# Altium PCB Tiny817_Xplained_Pro.PcbDoc (part 1 of 3) (continued)
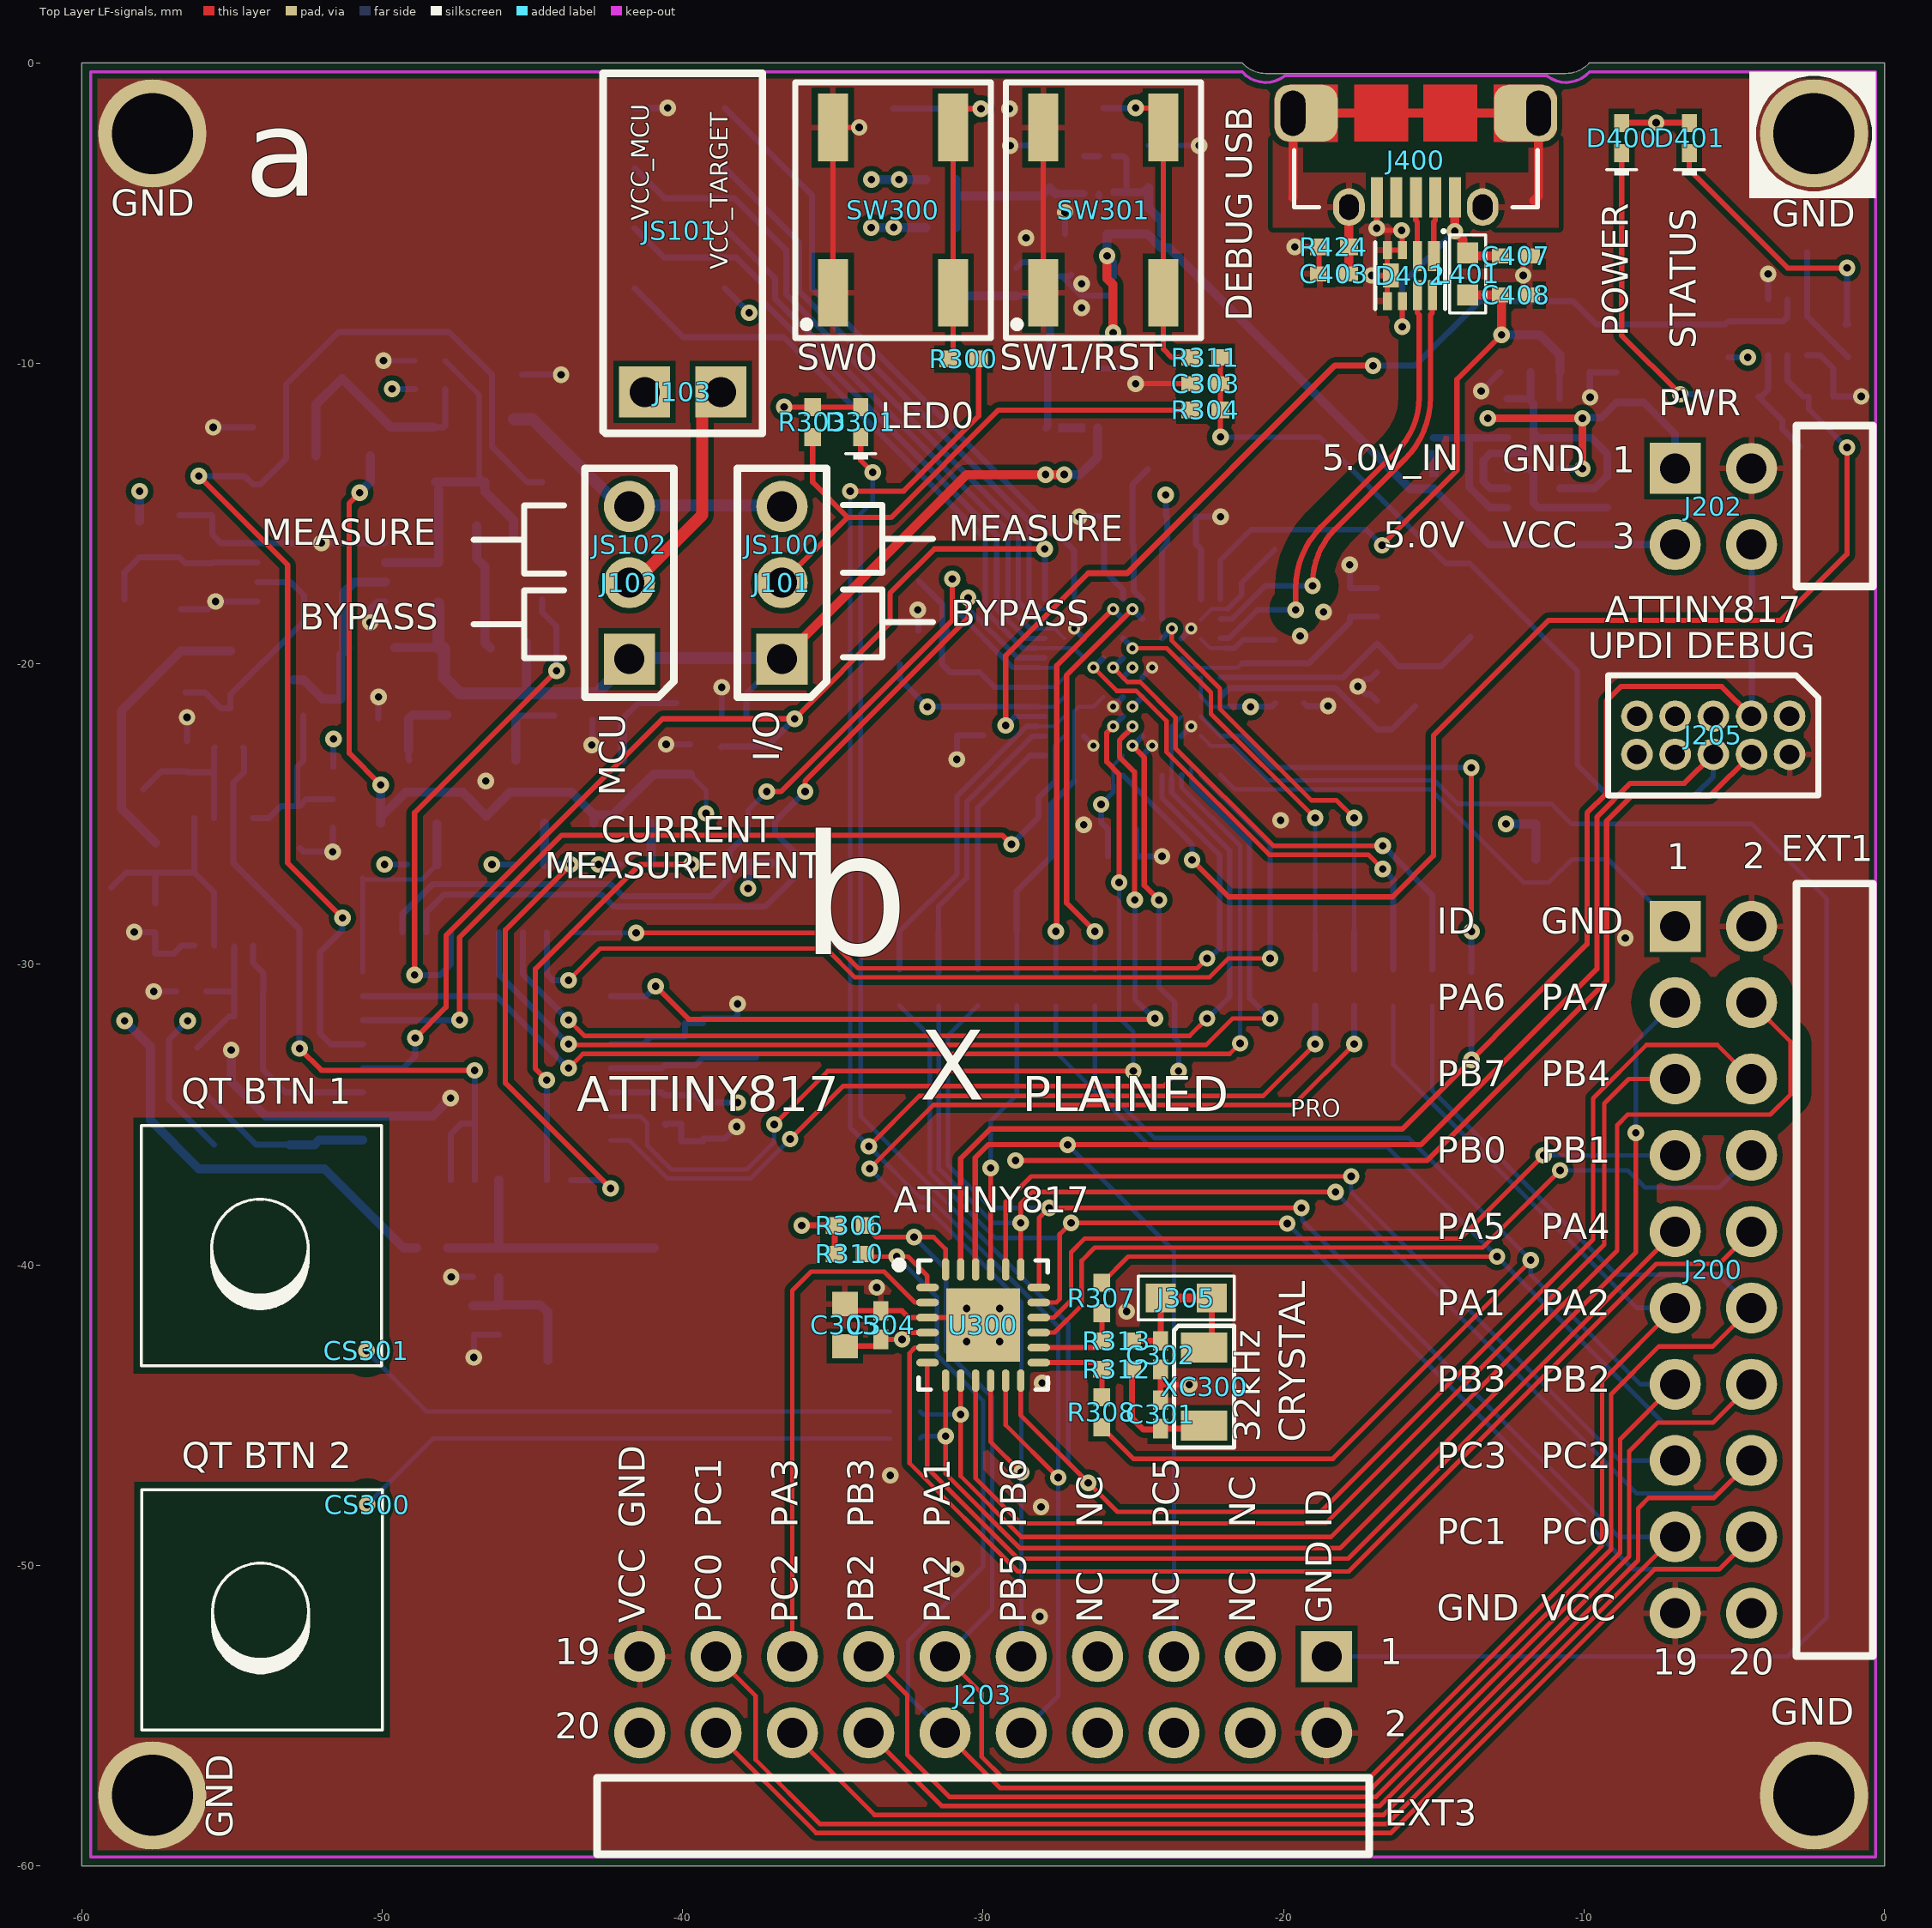
[diagram p0: Top Layer LF-signals view]
## Components (designator, comment, footprint, x,y, rotation, side; value= is the part's Value field where it differs from the comment) (continued)
R310 "" AP2-00011 -34.442,-39.636 r180 top
R311 "" AP2-00011 -22.6,-9.8 r0 top locked
R312 "" AP2-00011 -25.55,-43.472 r0 top
R313 "" AP2-00011 -25.55,-42.525 r0 top
R401 "" AP2-00000 -11.025,-25.325 r180 bottom
R404 "" AP2-00000 -13.75,-30.75 r90 bottom
R406 "" AP2-00000 -27.58,-30.775 r270 bottom
R407 "" AP2-00000 -16.35,-30.775 r270 bottom
R408 "" AP2-00000 -15.05,-30.775 r270 bottom
R409 "" AP2-00000 -11,-26.5 r180 bottom
R410 "" AP2-00011 -5.2,-9.2 r270 bottom locked
R411 "" AP2-00011 -4.7,-11.1 r180 bottom locked
R412 "" AP2-00011 -1.2,-9.2 r90 bottom locked
R413 "" AP2-00011 -2.2,-11.1 r180 bottom locked
R414 "" AP2-00000 -26.28,-30.775 r90 bottom
R415 "" AP2-00000 -31.48,-30.775 r90 bottom
R416 "" AP2-00000 -18.95,-30.775 r90 bottom
R417 "" AP2-00000 -17.65,-30.775 r90 bottom
R420 "" AP2-00000 -30.18,-30.775 r270 bottom
R421 "" AP2-00011 -20.3,-16.7 r90 bottom locked
R422 "" AP2-00011 -20.3,-18.7 r270 bottom locked
R423 "" AP2-00011 -17.8,-17.95 r270 bottom locked
R424 "" AP2-00011 -18.325,-6.125 r0 top
R425 "" AP2-00000 -32.78,-30.775 r90 bottom
R426 "" AP2-00000 -28.88,-30.775 r90 bottom
R500 "" AP2-00011 -45.85,-10.375 r180 bottom
R501 "" AP2-00011 -48.4,-10.85 r180 bottom
R502 "" AP2-00011 -48.412,-9.908 r0 bottom
R602 "" AP2-00011 -36.925,-26.128 r270 bottom
R603 "" AP2-00011 -37.825,-26.128 r270 bottom
R604 "" AP2-00011 -48.35,-39.425 r180 bottom
R605 "" AP2-00011 -46.125,-39.925 r90 bottom
R606 "" AP2-00011 -46.125,-41.825 r90 bottom
R700 "" AP2-00076 -47.25,-19.475 r0 bottom
R701 "" AP2-00011 -44.7,-19.3 r0 bottom
R702 "" AP2-00076 -48.125,-17.325 r90 bottom
R703 "" AP2-00011 -54.45,-30.9 r0 bottom
R704 "" AP2-00076 -50.45,-19.475 r0 bottom
R705 "" AP2-00011 -56.35,-30.9 r0 bottom
R706 "" AP2-00011 -57.55,-26.45 r90 bottom
R707 "" AP2-00076 -56.7,-18.875 r270 bottom
R708 "" AP2-00011 -55.1,-23.6 r0 bottom
R709 "" AP2-00011 -56.5,-23.075 r270 bottom
R800 "" AP2-00011 -48.675,-26.675 r180 bottom
R801 "" AP2-00011 -45.1,-26.675 r180 bottom
R802 "" AP2-00011 -41.55,-26.675 r180 bottom
R803 "" AP2-00011 -42.5,-21.825 r0 bottom
R804 "" AP2-00011 -46.05,-21.825 r0 bottom
R805 "" AP2-00011 -49.625,-21.825 r0 bottom
R806 "" AP2-00011 -39.75,-23.175 r270 bottom
SW300 "" AP8-00137 -33,-4.9 r90 top locked
SW301 "" AP8-00137 -26,-4.9 r90 top locked
TP300 "" AP8-00010 -33,-1.5 r270 bottom locked
TP301 "" AP8-00010 -26,-1.5 r270 bottom locked
TP400 "" AP8-00010 -41.6,-1.5 r270 bottom locked
TP401 "" AP8-00010 -38.6,-1.5 r270 bottom locked
TP402 "" AP8-00010 -41.6,-3.5 r270 bottom locked
TP403 "" AP8-00010 -41.6,-5.5 r270 bottom locked
TP404 "" AP8-00010 -38.6,-5.5 r270 bottom locked
TP405 "" AP8-00010 -41.6,-7.5 r270 bottom locked
TP406 "" AP8-00010 -38.6,-3.5 r270 bottom locked
TP407 "" AP8-00010 -38.6,-7.5 r270 bottom locked
U100 "" AP6-00262 -26.15,-3.725 r90 bottom
U103 "" AP6-00162 -26.725,-7.75 r0 bottom locked
U300 "ATtiny807" AP6-00459 -30,-42 r0 top locked
U400 "100 ball VFBGA" AP6-00206 -25.025,-20.775 r90 bottom locked
U600 "" AP6-00061 -46.524,-33.051 r90 bottom
U601 "" AP5-00002 -43.685,-40.375 r0 bottom
U700 "" AP6-00100 -55.275,-27.25 r90 bottom
U701 "" AP6-00100 -52.025,-16.95 r180 bottom
XC300 "" AP7-00090 -22.645,-44.05 r270 top
XC400 "" AP7-00089 -14.7,-20.25 r90 bottom

## Footprints (in the part's own frame and the unit in brackets; to place one, negate y for a bottom-side part, rotate by r counter-clockwise, add the part's x,y. Pads: shape width x height; smd on the part's side, far side on the other; paste and mask are expansions set on the pad)
AP1-00001 [mm] "Standard 0402 SMD capacitor footprint"
  rect 0.9x0.6 smd: 1(-0.55,0) 2(0.55,0)
  silkscreen extent -1.25,-0.55 1.25,0.55, body extent -0.5,-0.3 0.5,0.3, height 0.2
AP1-00003 [mm]
  rect 1.35x1.5 smd: 1(-0.825,0) 2(0.825,0)
  silkscreen extent -1.78,-1 1.78,1, body extent -1,-0.63 1,0.63, height 0.78
AP1-00053 [mm] "Chip Capacitor, 2-Leads, Body 1.0x0.5mm, IPC High Density"
  rect 0.65x0.5 smd: 1(-0.475,0) 2(0.475,0)
  body extent -0.5,-0.3 0.5,0.3, height 0.2
AP1-00117 [mm] "Chip Capacitor, 2-Leads, Body 1,60x0,80mm, IPC High Density"
  rect 0.8x0.85 smd: 1(-0.7,0) 2(0.7,0)
  body extent -0.8,-0.4 0.8,0.4, height 0.3
AP2-00000 [mm] "Standard 0402 SMD resistor footprint"
  rect 0.8x0.65 smd: 1(-0.6,0) 2(0.6,0)
  silkscreen extent -1.25,-0.58 1.25,0.58, body extent -0.5,-0.3 0.5,0.3, height 0.2
AP2-00011 [mm] "Chip Resistor, 2-Leads, Body 1,0x0,5mm, IPC High Density"
  rect 0.6x0.55 smd: 1(-0.5,0) 2(0.5,0)
  body extent -0.5,-0.3 0.5,0.3, height 0.2
AP2-00076 [mm] "Chip Resistor, 2-Leads, Body 1,60x0,80mm, IPC High Density"
  rect 0.8x0.85 smd: 1(-0.7,0) 2(0.7,0)
  body extent -0.8,-0.4 0.8,0.4, height 0.3
AP3-00005 [mm]
  rect 0.7x0.7 smd: 1(-0.7,0) 2(0.7,0)
  silkscreen extent -1.3,-0.6 1.3,0.6, body extent -0.83,-0.41 0.82,0.41, height 0.8
AP3-00028 [mm] "0402 SMD EMI inductor footprint, Murata"
  rect 0.8x0.65 smd: 1(-0.6,0) 2(0.6,0)
  silkscreen extent -1.25,-0.58 1.25,0.58, body extent -0.58,-0.3 0.58,0.3, height 0.41
AP4-00159 [mm] "WDFN8, 2.2x2, 0.5P  CASE 511BN  ISSUE A"
  rect 0.4x1 smd: 1(-0.8,-0.65)
  rect 0.3x1 smd: 2(-0.25,-0.65) 7(-0.25,0.65) 8(-0.75,0.65)
  rect 0.3x0.6 smd: 3(0.25,-0.85) 4(0.75,-0.85) 5(0.75,0.85) 6(0.25,0.85)
  rect 0.54x0.8 smd mask+0.1: 9(0.63,0)
  silkscreen extent -1.18,-1.52 1.15,1.1, body extent -1.1,-1 1.1,1, height 0.8
AP4-00160 [mm] "ROHM SML-P11 0402 LED"
  rect 0.6x0.5 smd: 1(-0.5,0) 2(0.5,0)
  silkscreen extent -1.25,-0.5 -1.05,0.5, body extent -0.5,-0.3 0.5,0.3, height 0.19
AP5-00001 [mm]
  rect 0.85x0.35 smd: 1(-0.925,0.65) 2(-0.925,0) 3(-0.925,-0.65) 4(0.925,-0.65) 5(0.925,0) 6(0.925,0.65)
  silkscreen extent -1.6,-1.35 1.6,1.35, body extent -1.05,-1 1.05,1, height 0.95
AP5-00002 [mm] "SOT-23 Package"
  rect 1.3x0.6 smd: 1(-1.05,0.95) 2(-1.05,-0.95) 3(1.05,0)
  silkscreen extent -1.95,-1.78 1.95,1.78, body extent -1.25,-1.46 1.23,1.46, height 1
AP5-00047 [mm] "NXP SOT1118 (DFN2020-6) Footprint"
  rect 0.35x0.3 smd mask+0.05: 1(-0.65,-0.875) 2(0,-0.875) 3(0.65,-0.875) 4(0.65,0.875) 5(0,0.875) 6(-0.65,0.875)
  rect 0.72x1.05 smd mask+0.05: 7(-0.49,0) 8(0.49,0)
  silkscreen extent -1,-1.55 1,1.17, body extent -0.99,-1.01 1.01,1.01, height 0.65
AP6-00061 [mm] "TQFP, 32-Leads, Body 9.3x9.3mm (max), Pitch 0.80mm, IPC Medium Density"
  oval 1.75x0.55 smd: 1(-4.125,2.8) 2(-4.125,2) 3(-4.125,1.2) 4(-4.125,0.4) 5(-4.125,-0.4) 6(-4.125,-1.2) 7(-4.125,-2) 8(-4.125,-2.8) 17(4.125,-2.8) 18(4.125,-2) 19(4.125,-1.2) 20(4.125,-0.4) 21(4.125,0.4) 22(4.125,1.2) 23(4.125,2) 24(4.125,2.8)
  oval 0.55x1.75 smd: 9(-2.8,-4.125) 10(-2,-4.125) 11(-1.2,-4.125) 12(-0.4,-4.125) 13(0.4,-4.125) 14(1.2,-4.125) 15(2,-4.125) 16(2.8,-4.125) 25(2.8,4.125) 26(2,4.125) 27(1.2,4.125) 28(0.4,4.125) 29(-0.4,4.125) 30(-1.2,4.125) 31(-2,4.125) 32(-2.8,4.125)
  silkscreen extent -4.25,3.5 -4,3.75, body extent -4.5,-4.5 4.5,4.5, height 1.44
AP6-00100 [mm]
  rect 1.6x0.45 smd: 1(-2.125,0.975) 2(-2.125,0.325) 3(-2.125,-0.325) 4(-2.125,-0.975) 5(2.125,-0.975) 6(2.125,-0.325) 7(2.125,0.325) 8(2.125,0.975)
  silkscreen extent -3.17,-1.8 3.17,1.88, body extent -2.45,-1.5 2.45,1.5, height 0.85
AP6-00162 [mm] "QFN, 6-Leads, Body 2.00x2.00mm, Pitch 0.65mm, Thermal Pad 1.00x1.6mm, IPC Medium Density modified"
  rect 0.6x0.3 smd paste-0.025 mask+0.05: 1(-1.05,0.65) 2(-1.05,0) 3(-1.05,-0.65) 4(1.05,-0.65) 5(1.05,0) 6(1.05,0.65)
  rect 1x1.6 smd paste-0.05 mask+0.05: 7(0,0)
  silkscreen extent -1.92,-1.2 1.2,1.2, body extent -1.05,-1.05 1.05,1.05, height 0.8
AP6-00206 [mm] "100 ball (10x10 array) VFBGA. Pitch 0.65 mm. Width: 7 mm. Length: 7mm. Height: 1 mm"
  round 0.28 smd: A1(-2.925,2.925) A2(-2.275,2.925) A3(-1.625,2.925) A4(-0.975,2.925) A5(-0.325,2.925) A6(0.325,2.925) A7(0.975,2.925) A8(1.625,2.925) A9(2.275,2.925) A10(2.925,2.925) B1(-2.925,2.275) B2(-2.275,2.275) B3(-1.625,2.275) B4(-0.975,2.275) B5(-0.325,2.275) B6(0.325,2.275) B7(0.975,2.275) B8(1.625,2.275) B9(2.275,2.275) B10(2.925,2.275) C1(-2.925,1.625) C2(-2.275,1.625) C3(-1.625,1.625) C4(-0.975,1.625) C5(-0.325,1.625) C6(0.325,1.625) C7(0.975,1.625) C8(1.625,1.625) C9(2.275,1.625) C10(2.925,1.625) D1(-2.925,0.975) D2(-2.275,0.975) D3(-1.625,0.975) D4(-0.975,0.975) D5(-0.325,0.975) D6(0.325,0.975) D7(0.975,0.975) D8(1.625,0.975) D9(2.275,0.975) D10(2.925,0.975) E1(-2.925,0.325) E2(-2.275,0.325) E3(-1.625,0.325) E4(-0.975,0.325) E5(-0.325,0.325) E6(0.325,0.325) E7(0.975,0.325) E8(1.625,0.325) E9(2.275,0.325) E10(2.925,0.325) F1(-2.925,-0.325) F2(-2.275,-0.325) F3(-1.625,-0.325) F4(-0.975,-0.325) F5(-0.325,-0.325) F6(0.325,-0.325) F7(0.975,-0.325) F8(1.625,-0.325) F9(2.275,-0.325) F10(2.925,-0.325) G1(-2.925,-0.975) G2(-2.275,-0.975) G3(-1.625,-0.975) G4(-0.975,-0.975) G5(-0.325,-0.975) G6(0.325,-0.975) G7(0.975,-0.975) G8(1.625,-0.975) G9(2.275,-0.975) G10(2.925,-0.975) H1(-2.925,-1.625) H2(-2.275,-1.625) H3(-1.625,-1.625) H4(-0.975,-1.625) H5(-0.325,-1.625) H6(0.325,-1.625) H7(0.975,-1.625) H8(1.625,-1.625) H9(2.275,-1.625) H10(2.925,-1.625) J1(-2.925,-2.275) J2(-2.275,-2.275) J3(-1.625,-2.275) J4(-0.975,-2.275) J5(-0.325,-2.275) J6(0.325,-2.275) J7(0.975,-2.275) J8(1.625,-2.275) J9(2.275,-2.275) J10(2.925,-2.275) K1(-2.925,-2.925) K2(-2.275,-2.925) K3(-1.625,-2.925) K4(-0.975,-2.925) K5(-0.325,-2.925) K6(0.325,-2.925) K7(0.975,-2.925) K8(1.625,-2.925) K9(2.275,-2.925) K10(2.925,-2.925)
  silkscreen extent -4.15,-4.15 4.15,4.15, body extent -3.5,-3.5 3.5,3.5, height 1.01
AP6-00262 [mm] "SON-6 footprint"
  rect 0.95x0.3 smd paste-0.025 mask+0.05: 1(-0.575,0.5)
  rect 0.85x0.3 smd paste-0.025 mask+0.05: 2(-0.625,0) 3(-0.625,-0.5) 4(0.625,-0.5) 5(0.625,0) 6(0.625,0.5)
  silkscreen extent -1.25,-0.9 0.9,0.95, body extent -0.8,-0.8 0.8,0.8, height 0.8
AP6-00459 [mm] "QFN, 24-Leads, Body 4,00x4,00mm, Pitch 0,50mm, Thermal Pad 2,45x2,45mm, IPC High Density"
  oval 0.75x0.25 smd: 1(-1.85,1.25) 2(-1.85,0.75) 3(-1.85,0.25) 4(-1.85,-0.25) 5(-1.85,-0.75) 6(-1.85,-1.25) 13(1.85,-1.25) 14(1.85,-0.75) 15(1.85,-0.25) 16(1.85,0.25) 17(1.85,0.75) 18(1.85,1.25)
  oval 0.25x0.75 smd: 7(-1.25,-1.85) 8(-0.75,-1.85) 9(-0.25,-1.85) 10(0.25,-1.85) 11(0.75,-1.85) 12(1.25,-1.85) 19(1.25,1.85) 20(0.75,1.85) 21(0.25,1.85) 22(-0.25,1.85) 23(-0.75,1.85) 24(-1.25,1.85)
  rect 2.45x2.45 smd: 25(0,0)
  silkscreen extent -2.92,-2.15 2.15,2.15, body extent -2,-2 2,2, height 0.9
AP7-00089 [mm] "SMD crystal. 2.5mm X 3.2 mm x 0.8mm"
  rect 1.3x1.05 smd: 1(-1.15,-0.925) 3(1.15,0.925) 4(-1.15,0.925)
  rect 1.3x1.05 smd paste+0: 2(1.15,-0.925)
  silkscreen extent -2.02,-1.68 2.02,1.68, body extent -1.6,-1.25 1.7,1.25, height 0.85
AP7-00090 [mm] "Fork crystal, 3.2mm x 1.5mm x 0.8mm"
  rect 1x1.55 smd: 1(-1.3,0)
  rect 1x1.55 smd paste+0: 2(1.3,0)
  silkscreen extent -2.02,-1 2.02,1, body extent -1.6,-0.75 1.6,0.75, height 0.79
AP8-00010 [mm] "Testpad 50mil"
  round 1.27 smd paste-0.635: 1(0,0)
AP8-00137 [mm]
  rect 2.25x1 smd: 1(-2.75,2) 2(2.75,2) 3(-2.75,-2) 4(2.75,-2)
  silkscreen extent -4.25,-3.25 4.25,3.25, body extent -3.4,-3.21 3.4,3.22, height 3.47
AP8-00192 [mm]
  silkscreen extent -4,-4 3.83,4, body extent -4,-4 4,4, height 2.79
AP8-00257 [mm]
  round 1.05 hole 0.65: 1(-2.54,-0.635) 2(-2.54,0.635) 3(-1.27,-0.635) 4(-1.27,0.635) 5(0,-0.635) 6(0,0.635) 7(1.27,-0.635) 8(1.27,0.635) 9(2.54,-0.635) 10(2.54,0.635)
  silkscreen extent -3.5,-2 3.5,2, body extent -3.15,-1.64 3.2,1.79, height 3.88
AP8-00317 [mm] "Placement area for 18x6mm sticker"
  silkscreen extent 0,0 18,6
AP8-00367 [mm] "1x2 pin header, right angle, 2.54 mm pitch, through-hole"
  rect 1.7x1.7 / inner round 1.7 / far side round 1.7 hole 1: 1(-1.27,0) 2(1.27,0)
  silkscreen extent -2.65,-1.38 2.66,10.6, body extent -2.54,-0.33 2.54,9.99, height 2.55
AP8-00525 [mm] "Jumper 2.54mm, 3D"
  body extent -2.49,-1.22 2.49,1.22, height 9.07
AP8-00622 [mm] "2x10 Right angle 2.54mm THM"
  rect 1.7x1.7 / inner round 1.7 / far side rect 1.7x1.7 hole 1: 1(-11.43,-1.27)
  rect 2.1x2.1 on Top Paste: 1(-11.43,-1.27) 2(-11.43,1.27) 3(-8.89,-1.27) 4(-8.89,1.27) 5(-6.35,-1.27) 6(-6.35,1.27) 7(-3.81,-1.27) 8(-3.81,1.27) 9(-1.27,-1.27) 10(-1.27,1.27) 11(1.27,-1.27) 12(1.27,1.27) 13(3.81,-1.27) 14(3.81,1.27) 15(6.35,-1.27) 16(6.35,1.27) 17(8.89,-1.27) 18(8.89,1.27) 19(11.43,-1.27) 20(11.43,1.27)
  round 1.7 hole 1: 2(-11.43,1.27) 3(-8.89,-1.27) 4(-8.89,1.27) 5(-6.35,-1.27) 6(-6.35,1.27) 7(-3.81,-1.27) 8(-3.81,1.27) 9(-1.27,-1.27) 10(-1.27,1.27) 11(1.27,-1.27) 12(1.27,1.27) 13(3.81,-1.27) 14(3.81,1.27) 15(6.35,-1.27) 16(6.35,1.27) 17(8.89,-1.27) 18(8.89,1.27) 19(11.43,-1.27) 20(11.43,1.27)
  silkscreen extent -12.85,2.77 12.85,5.31, body extent -12.7,-1.59 12.7,11.29, height 5
AP8-00628 [mm] "2x2 Right angle 2.54mm THM"
  rect 1.7x1.7 / inner round 1.7 / far side rect 1.7x1.7 hole 1: 1(-1.27,-1.27)
  rect 2.1x2.1 on Top Paste: 1(-1.27,-1.27) 2(-1.27,1.27) 3(1.27,-1.27) 4(1.27,1.27)
  round 1.7 hole 1: 2(-1.27,1.27) 3(1.27,-1.27) 4(1.27,1.27)
  silkscreen extent -2.69,2.77 2.67,5.31, body extent -2.54,-1.52 2.54,11.36, height 5
AP8-00745 [mm] "THM Pin-header 1x3 100mil pitch, 1mm hole"
  rect 1.7x1.7 / inner round 1.7 / far side rect 1.7x1.7 hole 1: 1(-2.54,0)
  rect 2.1x2.1 on Top Paste: 1(-2.54,0) 2(0,0) 3(2.54,0)
  round 1.7 hole 1: 2(0,0) 3(2.54,0)
  silkscreen extent -3.81,-1.48 3.81,1.48, body extent -3.81,-1.27 3.81,1.27, height 8.38
AP8-00852 [mm] "Hirose, ZX Series, USB Micro-AB Recept-RA"
  rect 0.4x1.35 smd: 1(-1.3,2.8) 2(-0.65,2.8) 3(0,2.8) 4(0.65,2.8) 5(1.3,2.8)
  rrect52% 2.1x1.9 hole 0.825 slot 1.5 at 90 deg copper offset 0.437,0: 6(-4.088,0)
  rrect52% 2.1x1.9 on Top Paste: 6(-3.6,0) 7(3.6,0)
  rrect52% 2.1x1.9 hole 0.825 slot 1.5 at 90 deg copper offset -0.437,0: 7(4.088,0)
  rrect100% 1.05x1.25 hole 0.65 slot 0.85 at 90 deg: 8(-2.225,3.125) 9(2.225,3.125)
  rrect100% 1.05x1.25 on Top Paste: 8(-2.225,3.125) 9(2.225,3.125)
  Top Layer LF-signals region: 0.25,-0.95 2.05,-0.95 2.05,0.95 0.25,0.95
  Top Layer LF-signals region: -2.05,-0.95 -0.25,-0.95 -0.25,0.95 -2.05,0.95
  Top Layer LF-signals region: 2.6,-0.95 4.2,-0.95 4.294,-0.941 4.381,-0.915 4.434,-0.891 4.48,-0.862 4.52,-0.832 4.565,-0.791 4.596,-0.753 4.622,-0.716 4.647,-0.673 4.66,-0.64 4.676,-0.6 4.688,-0.55 4.696,-0.505 4.7,-0.45 4.7,0.45 4.696,0.503 4.689,0.548 4.677,0.599 4.661,0.641 4.641,0.683 4.617,0.724 4.589,0.761 4.56,0.797 4.521,0.831 4.483,0.86 4.439,0.888 4.397,0.908 4.354,0.924 4.301,0.939 4.248,0.946 4.2,0.95 2.6,0.95
  Top Layer LF-signals region: -2.6,0.95 -4.2,0.95 -4.294,0.941 -4.381,0.915 -4.434,0.891 -4.48,0.862 -4.52,0.832 -4.565,0.791 -4.596,0.753 -4.622,0.716 -4.647,0.673 -4.66,0.64 -4.676,0.6 -4.688,0.55 -4.696,0.505 -4.7,0.45 -4.7,-0.45 -4.696,-0.503 -4.689,-0.548 -4.677,-0.599 -4.661,-0.641 -4.641,-0.683 -4.617,-0.724 -4.589,-0.761 -4.56,-0.797 -4.521,-0.831 -4.483,-0.86 -4.439,-0.888 -4.397,-0.908 -4.354,-0.924 -4.301,-0.939 -4.248,-0.946 -4.2,-0.95 -2.6,-0.95
  Top Layer LF-signals pour cut-out: -3.75,1.975 3.75,1.975 3.75,-1.325 -3.75,-1.325
  Bottom Layer LF-signals region: -2.6,0.95 -4.2,0.95 -4.294,0.941 -4.381,0.915 -4.434,0.891 -4.48,0.862 -4.52,0.832 -4.565,0.791 -4.596,0.753 -4.622,0.716 -4.647,0.673 -4.66,0.64 -4.676,0.6 -4.688,0.55 -4.696,0.505 -4.7,0.45 -4.7,-0.45 -4.696,-0.503 -4.689,-0.548 -4.677,-0.599 -4.661,-0.641 -4.641,-0.683 -4.617,-0.724 -4.589,-0.761 -4.56,-0.797 -4.521,-0.831 -4.483,-0.86 -4.439,-0.888 -4.397,-0.908 -4.354,-0.924 -4.301,-0.939 -4.248,-0.946 -4.2,-0.95 -2.6,-0.95
  Bottom Layer LF-signals region: 2.6,-0.95 4.2,-0.95 4.294,-0.941 4.381,-0.915 4.434,-0.891 4.48,-0.862 4.52,-0.832 4.565,-0.791 4.596,-0.753 4.622,-0.716 4.647,-0.673 4.66,-0.64 4.676,-0.6 4.688,-0.55 4.696,-0.505 4.7,-0.45 4.7,0.45 4.696,0.503 4.689,0.548 4.677,0.599 4.661,0.641 4.641,0.683 4.617,0.724 4.589,0.761 4.56,0.797 4.521,0.831 4.483,0.86 4.439,0.888 4.397,0.908 4.354,0.924 4.301,0.939 4.248,0.946 4.2,0.95 2.6,0.95
  silkscreen extent -4.05,1.22 4.05,3.13, body extent -4.32,-2.65 4.33,3.25, height 2.78
AP9-00044 [mm]
  rect 1x0.95 smd paste-1: 1(-0.85,0) 2(0.85,0)
  Top Layer LF-signals region: -0.451,0.15 0.449,0.15 0.449,-0.15 -0.451,-0.15
  silkscreen extent -1.6,-0.72 1.6,0.72, body extent -0.8,-0.4 0.8,0.4, height 0.3
?#1 [mm]
  round 0.55 smd paste-1 mask-1: 1(-3.12,3.002)
  GND region: -5.12,-4.498 -5.12,5.002 5.88,5.002 5.88,-5.998 -5.12,-5.998 -5.12,-4.498 4.38,-4.498 4.38,3.502 -3.62,3.502 -3.621,-4.498
?#2 [mm]
  round 0.55 smd paste-1 mask-1: 1(3.88,3.002)
  GND region: -5.12,-4.498 -5.12,5.002 5.88,5.002 5.88,-5.998 -5.12,-5.998 -5.12,-4.498 4.38,-4.498 4.38,3.502 -3.62,3.502 -3.621,-4.498

## Part data
C100 C101 C104 C305 C701 C703: library part A01-0377, "Ceramic capacitor, SMD 0603, X5R, 10V, 10% (de31036)"
C105 C107: library part A01-0500, "Ceramic capacitor, SMD 0805, X5R, 10V, ±20%"
C106: library part A01-0050, "Ceramic capacitor, SMD 0402, X7R, 25V, +/-10%"
C301 C302: library part A01-0793, "Ceramic capacitor, SMD 0402, NP0, 50V, +/-5%"
C303: library part A01-0046, "Ceramic capacitor, SMD 0402, X7R, 25V, +/-10% (de35287)"
C304 C404 C410 C411 C412 C413 C600 C602 C604 C607 C700 C704: library part A01-0246, "Ceramic capacitor, SMD 0402, X7R, 16V, +/-10%"
C400 C401: library part A01-0017, "Ceramic capacitor, SMD 0402, NP0, 50V, +/-5%"
C402: library part A01-0015, "Ceramic capacitor, SMD 0402, NP0, 50V, +/-5%"
C403: library part A01-0046, "Ceramic capacitor, SMD 0402, X7R, 25V, +/-10%"
C405 C409 C414 C415: library part A01-0300, "Ceramic capacitor, SMD 0402, X5R, 6.3V, +/-20%"
C406 C407 C408 C606: library part A01-0321, "Ceramic capacitor, SMD 0402, C0G, 50V, +/-5%"
C601 C603: library part A01-0286, "Ceramic capacitor, SMD 0402, X5R, 6.3V, +/-10% (de26942)"
C605: library part A01-0397, "Ceramic capacitor, SMD 0402, X7R, 25V, ±10%"
C702 C706: library part A01-0028, "Ceramic capacitor, SMD 0402, X7R, 50V, +/-10%"
C705: library part A01-0038, "Ceramic capacitor, SMD 0402, X7R, 50V, +/-10%"
CS300 CS301: library part QTouchButton
D301 D401: library part A10-0182, "LED, SMD 0402, Yellow, Wave length=586nm, 7.6mcd @ (1mA, 1.9Vf)"
D400: library part A10-0183, "LED, SMD 0402, Green, Wave length=569nm, 2.1mcd @ (1mA, 1.9Vf)"
D402: library part A04-0195, "EMI2121, SZEMI2121 Single Pair Common Mode Filter with ESD Protection"
E1 E2 E3 E4: library part A08-0053, "2.8mm adhesive feet,diam 8.0mm"
J100 J104 J305: library part A09-0783, "Default closed SMD strap, 0603 size"
J101 J102: library part A08-1799, "1x3 pin header, 2.54mm pitch, Pin-in-Paste THM, 1mm hole"
J103: library part A08-0764, "1x2 pin header, right angle, 2.54 mm pitch, through-hole"
J200 J203: library part A08-1513, "Pin header, 2x10, Right Angle, 2.54mm, THM, Pin In Paste"
J202: library part A08-1519, "Pin header, 2x2, Right Angle, 2.54mm, THT, Pin In Paste"
J205: library part A08-0385, "2x5 pin header, 1.27mm pitch, THM"
J400: library part A08-2112, "Micro USB AB Connector, Standard SMT + DIP"
JS100 JS101 JS102: library part A08-0543, "Jumper cap for 2.54mm pinheader"
L401 L402 L600: library part A03-0035, "SMD RF inductor 0603. Z=470Ohm (@100MHz), Max R(dc)=0.65Ohm, Max current=1A"
L700 L701: library part A03-0037, "SMD RF inductor 0402. Z=220Ohm (@100MHz), Max R(dc)=0.80Ohm, Max current=200mA"
LABEL1: library part A09-0611, "PCBA identification label PP Top White Gloss"
Q100 Q101: library part A05-0146, "Dual P-Channel MOSFET, -20V, RDS(ON) < 55 mOhm @-3.4A@-4.5V"
Q400: library part A05-0051, "Dual N-Channel MOSFET, 60V, 115mA cont,RDS(ON) < 7.5 Ohm @50mA@5V, SOT-363"
Q500: library part A05-0130, "P-Channel Digital FET. -30V, -3.5A continuous, -14A Peak. RDS(ON)=48mOhm@VGS=-4.5V, RDS(ON)=71mOhm@VGS=-2.5V. VGS(th)<1.25V"
Q501 Q701: library part A05-0140, "Low leakage N-Channel MOSFET. 60V, 0.23A continuous, 0.92A Peak. RDS(ON) = 3.5Ohm@VGS=4.5V, VGS(th)<1.4V"
Q502 Q800 Q801 Q802: library part A05-0132, "P-Channel Digital FET. -60V, -0.3A continuous, -1.2A Peak. RDS(ON)=2.5@VGS=-10V, RDS(ON)=<5 ohm @VGS=-2.5V. VGS(th)<1.9V"
Q700: library part A05-0087, "P-ch. MOSFET. -30V, -3.7A continuous,RDS(ON)=0.05Ohm@VGS=-4,5V, RDS(ON)=0.08Ohm@VGS=-2.5V"
R100 R410 R413 R424: library part A02-0284, "Thick film resistor, SMD 0402, 1/16W, 1%"
R101 R102 R304 R500 R501 R701 R800 R801 R802: library part A02-0260, "Thick film resistor, SMD 0402, 1/16W, 1%"
R107 R108 R307 R308 R309 R312 R313 R404 R406 R407 R408 R415 R425 R426 R706: library part A02-0163, "RES 0.0 OHM 1/16W 0402 SMD"
R109 R110 R805: library part A02-0252, "Thick film resistor, SMD 0402, 1/16W, 1%"
R300 R311 R421 R422 R803: library part A02-0178, "Thick film resistor, SMD 0402, 1/16W, 1%"
R301 R303 R401 R409 R411 R412: library part A02-0212, "Thick film resistor, SMD 0402, 1/16W, 1%"
R302 R305 R703 R708 R709: library part A02-0236, "Thick film resistor, SMD 0402, 1/16W, 1%"
R306 R310 R602 R603: library part A02-0228, "Thick film resistor, SMD 0402, 1/16W, 1%"
R414 R416 R417 R420: library part A02-0200, "Thick film resistor, SMD 0402, 1/16W, 1%"
R423: library part A02-0539, "Thick film resistor, SMD 0402, 1/16W, 1%"
R502 R806: library part A02-0884, "Thick film SMD 0402 1/16W 1%"
R604: library part A02-0219, "Thick film resistor, SMD 0402, 1/16W, 1%"
R605: library part A02-0248, "Thick film resistor, SMD 0402, 1/16W, 1%"
R606: library part A02-0250, "Thick film resistor, SMD 0402, 1/16W, 1%"
R700: library part A02-0896, "WSL0603R1000FEA, metal strip resistor, 0.1 Ohm, +-1%, 0603 SMD, 1/10 W, TEMPCO +-75 ppm/°C"
R702 R704: library part A02-0895, "ERA-3YEB101V, metal film, 100R ±0.1%, resistor in 0603 at 100mW, TEMPCO ±25ppm/°C, Max V=75V"
R705: library part A02-0208, "Thick film resistor, SMD 0402, 1/16W, 1%"
R707: library part A02-0081, "Thick film resistor, SMD 0603, 1/10W, 1%"
R804: library part A02-0220, "Thick film resistor, SMD 0402, 1/16W, 1%"
SW300 SW301: library part A08-0790, "6.2x6.2 mm SMD tact switch, same as A08-0091 but less force is needed"
TP300 TP301 TP400 TP401 TP402 TP403 TP404 TP405 TP406 TP407: library part A08-0004, "Single SMD testpad"
U100: library part A06-0719, "LDO, 200 mA, Iq=31 uA, Vdo=250mV, Vout=3.3V, VIN= 2 V to 5.5V, SON-6 package"
U103: library part A06-1135, "Low noise LDO, 500 mA, Vout=3.3V, 2% accuracy, IQ=46uA, noise=28uVrms, VIN= 2.7V to 6.5V, Vdo=280mV,stable with low ESR capacitor"
U300: library part A06-1373, "Atmel 8-bit RISC MCU"
U400: library part A06-0736, "AVR 32-bit RISC MCU"
U600: library part A06-1023, "Atmel 32bit RISC MCU 32 pin"
U601: library part A06-0123, "Adjustable shunt voltage regulator, 1.24 to 10V out"
U700: library part A06-1125, "AD8656, dual low noise precision OpAmp, rail-to-rail, low offset 250uV, GBP 28 MHz, 8MSOP"
U701: library part A06-1134, "Precision OpAmp, Zero-Drift 0.015uV/K, ultra low noise 5.6nV/sqrt(Hz), Vo=2uV, GBW=4MHz, single supply 2.2V to 5.5V or dual supply +-1V to +-2.75V, rail to rail, unity gain stable"
XC300: library part A07-0129, "Kyocera ST3215SB32768E0HPWBB, 32.768kHz, 9pF, SMD tuning fork crystal"
XC400: library part A07-0128, "Kyocera CX3225GB12000H0KPSC1, 12MHz, 12pF, SMD crystal"

## Free pads (board coordinates)
  round 1.05 on Top Paste: 0(-8.24,-21.74) 1(-6.97,-21.74) 2(-5.7,-21.74) 3(-4.43,-21.74) 4(-3.16,-21.74) 5(-3.16,-23.01) 6(-4.43,-23.01) 7(-5.7,-23.01) 8(-6.97,-23.01) 9(-8.24,-23.01)
  round 0.8 smd far side paste-1: 3(-59.025,-27.45) 3(-58.675,-21.575) 3(-58.575,-17.85) 3(-57.95,-24.175) 3(-56.548,-20.95) 3(-56.15,-32.775) 3(-55.9,-34.3) 3(-53.975,-33.5) 3(-52.625,-21.725) 3(-51.375,-21.175) 3(-51.336,-10.5) 3(-50.649,-27.124) 3(-48.125,-15.425) 3(-47.85,-21.7) 3(-46.83,-15.42) 3(-44.485,-43.175) 3(-44.275,-21.725) 3(-40.95,-39.425) 3(-40.209,-21.3) 3(-37.55,-33.1) 3(-32.78,-28.9) 3(-32.125,-17.25) 3(-31.48,-28.9) 3(-30.65,-7.75) 3(-30.18,-28.9) 3(-29.525,-4.424) 3(-28.88,-32.65) 3(-28.88,-28.9) 3(-24.525,-13.525) 3(-18.95,-28.9) 3(-18.757,-19.575) 3(-17.65,-28.9) 3(-16.35,-28.9) 3(-15.05,-28.9) 3(-9.231,-13.004) 3(-9.231,-14.804) 3(-2.8,-12.775) 3(-2.575,-6.3)
  round 3.6 hole 2.7 paste-2.6: 666(-57.65,-57.65) 666(-57.65,-2.35) 666(-2.35,-57.65) 666(-2.35,-2.35)

## Via types
v1: diameter 0.55, hole 0.25, Top Layer LF-signals to Bottom Layer LF-signals, 127 vias
v2: diameter 0.55/0.8 (per signal layer), hole 0.25, Top Layer LF-signals to Bottom Layer LF-signals, tented top, 30 vias
v3: diameter 0.55, hole 0.25, Top Layer LF-signals to Bottom Layer LF-signals, tented both sides, 22 vias
v4: diameter 0.55, hole 0.25, Top Layer LF-signals to Bottom Layer LF-signals, tented top, 13 vias
v5: diameter 0.4, hole 0.2, Top Layer LF-signals to Bottom Layer LF-signals, tented both sides, 8 vias
v6: diameter 0.4, hole 0.2, Top Layer LF-signals to Bottom Layer LF-signals, tented top, 7 vias
v7: diameter 0.4, hole 0.2, Top Layer LF-signals to Bottom Layer LF-signals, 3 vias

## Nets (pads, with @x,y where several pads share a name; then routed paths per layer and width w, separated by ;. In a path a pad name is that pad's centre, name@x,y a point inside that pad or via, vN(x,y) a via of type N, cw(c..) or ccw(c..) an arc to the next point about the centre after c; other vN are vias at no path point)
CM_PA00_GPIO: Q801.1 R801.1 U600.1 | length 16.8
  Top Layer LF-signals w0.175: v2(-43.725,-26.675) -45.9,-28.85 -45.9,-33.95 v1(-42.399,-37.451)
  Bottom Layer LF-signals w0.2: R801.1@-44.6,-26.675 v2(-43.725,-26.675) ; U600.1@-43.724,-37.176 -42.674,-37.176 v1(-42.399,-37.451)
  Bottom Layer LF-signals w0.3: R801.1@-44.6,-26.675 Q801.1@-44.6,-25.3
CM_PA01_GPIO: Q800.1 R802.1 U600.2 | length 16.5
  Top Layer LF-signals w0.175: v1(-44.524,-33.85) -44.9,-33.474 -44.9,-30.15 -41.425,-26.675 v2(-39.7,-26.675)
  Bottom Layer LF-signals w0.2: U600.2@-44.524,-37.176 v1(-44.524,-33.85) ; R802.1@-41.05,-26.675 v2(-39.7,-26.675)
  Bottom Layer LF-signals w0.3: R802.1@-41.05,-26.675 Q800.1@-41.05,-25.3
CM_PA03_VREFA: C607.1 pad.3@-40.95,-39.425 R604.1 R605.2 U600.4 U601.2 | length 9.1
  Bottom Layer LF-signals w0.3: R604.1@-47.825,-39.425 R605.2@-46.125,-39.425 ; U600.4@-46.124,-37.176 R605.2@-46.125,-39.425 -46.123,-39.425 U601.2@-44.735,-39.425 pad.3@-40.95,-39.425
CM_PA05_AIN5: C706.2 R708.2 U600.5 U600.6 U700.7 | length 23.3
  Top Layer LF-signals w0.175: v2@-52.75,-32.8 -52.025,-33.525 v1@-46.924,-33.525
  Bottom Layer LF-signals w0.2: C706.2@-54.625,-22.775 -54.6,-22.8 R708.2@-54.6,-23.6 -54.95,-23.95 U700.7@-54.95,-25.125 -54.95,-26.625 -52.75,-28.825 v2(-52.75,-32.799) v2@-52.75,-32.8 ; U600.6@-47.724,-37.176 -47.724,-35.649 -47.365,-35.29 -46.924,-35.29 ; U600.5@-46.924,-37.176 -46.924,-35.29 ; v1(-46.924,-33.526) -46.924,-35.29
CM_PA08_AIN16: C702.2 pad.3@-53.975,-33.5 R703.2 U600.11 U700.1 | length 7.9
  Bottom Layer LF-signals w0.2: U700.1@-54.3,-29.375 -54.3,-29.95 -53.95,-30.3 R703.2@-53.95,-30.9 ; R703.2@-53.975,-30.925 C702.2@-53.975,-31.725 pad.3@-53.975,-33.5 -53.224,-34.251 U600.11@-50.649,-34.251
CM_PA09_AIN17: R109.1 R110.2 U400.K10 U600.12 | length 36.6
  Top Layer LF-signals w0.175: v1(-48.9,-32.45) -47.875,-31.425 -47.875,-29.03 -40.67,-21.825 v2(-36.275,-21.825) -33.1,-18.65 -33.1,-17.65 -31.625,-16.175 v1(-27.95,-16.175)
  Bottom Layer LF-signals w0.2: U600.12@-50.649,-33.451 -49.301,-33.451 -48.9,-33.05 v1(-48.9,-32.45) ; R110.2@-38.725,-22.775 R110.2@-38.7,-22.75 R109.1@-37.975,-22.75 ; R109.1@-37.875,-22.75 -37.2,-22.75 v2(-36.275,-21.825) ; U400.K10@-27.95,-17.85 v1(-27.95,-16.175)
CM_PA10_GPIO: Q500.1 Q501.1 R500.2 U600.13 | length 41
  Top Layer LF-signals w0.175: v2(-56.106,-13.748) -53.15,-16.704 -53.15,-26.625 v3(-51.325,-28.45)
  Bottom Layer LF-signals w0.2: v2(-56.106,-13.748) -54.577,-13.748 Q501.1@-54.3,-14.025 -54.05,-14.025 -53.2,-13.175 -53.2,-10.7 -51.452,-8.952 -47.773,-8.952 R500.2@-46.35,-10.375 -46.35,-12.775 -45.175,-13.95 Q500.1@-44.675,-13.95 ; v3(-51.325,-28.45) -51.325,-28.85 -52.068,-29.593 -52.068,-32.296 -51.712,-32.651 U600.13@-50.649,-32.651
CM_PA11_GCLK5: U400.J3 U600.14 | length 30.2
  Top Layer LF-signals w0.175: v1(-47.425,-31.851) -47.425,-29.099 -44.026,-25.7 -29.36,-25.7 v2(-29.06,-26)
  Bottom Layer LF-signals w0.125: -27.629,-23.929 -27.629,-22.729 U400.J3@-27.3,-22.4
  Bottom Layer LF-signals w0.2: U600.14@-50.649,-31.851 v1(-47.425,-31.851) ; v2(-29.06,-26) -28.161,-25.101 -28.161,-24.461 -27.629,-23.929
CM_PA14_GCLK0: U400.C1 U600.15 | length 40.3
  Top Layer LF-signals w0.15: v1(-43.8,-33.45) -43.325,-32.975 -21.8,-32.975 v2(-21.45,-32.625)
  Bottom Layer LF-signals w0.15: U400.C1@-23.4,-23.7 -23.4,-24.1 -21.45,-26.05 v2(-21.45,-32.625)
  Bottom Layer LF-signals w0.2: U600.15@-50.649,-31.051 -46.199,-31.051 v1(-43.8,-33.45) ; U400.C1@-23.4,-23.74 -23.39,-23.731 -23.39,-23.71 U400.C1@-23.4,-23.7
CM_PA15_GPIO: pad.3@-50.649,-27.124 Q802.1 R800.1 U600.16 | length 7.2
  Bottom Layer LF-signals w0.15: U600.16@-50.649,-30.251 pad.3@-50.649,-27.124 -50.598,-27.175 -48.675,-27.175 R800.1@-48.175,-26.675
  Bottom Layer LF-signals w0.3: R800.1@-48.175,-26.675 Q802.1@-48.175,-25.325